# Altium PCB FPGA_Board.PcbDoc (continued)
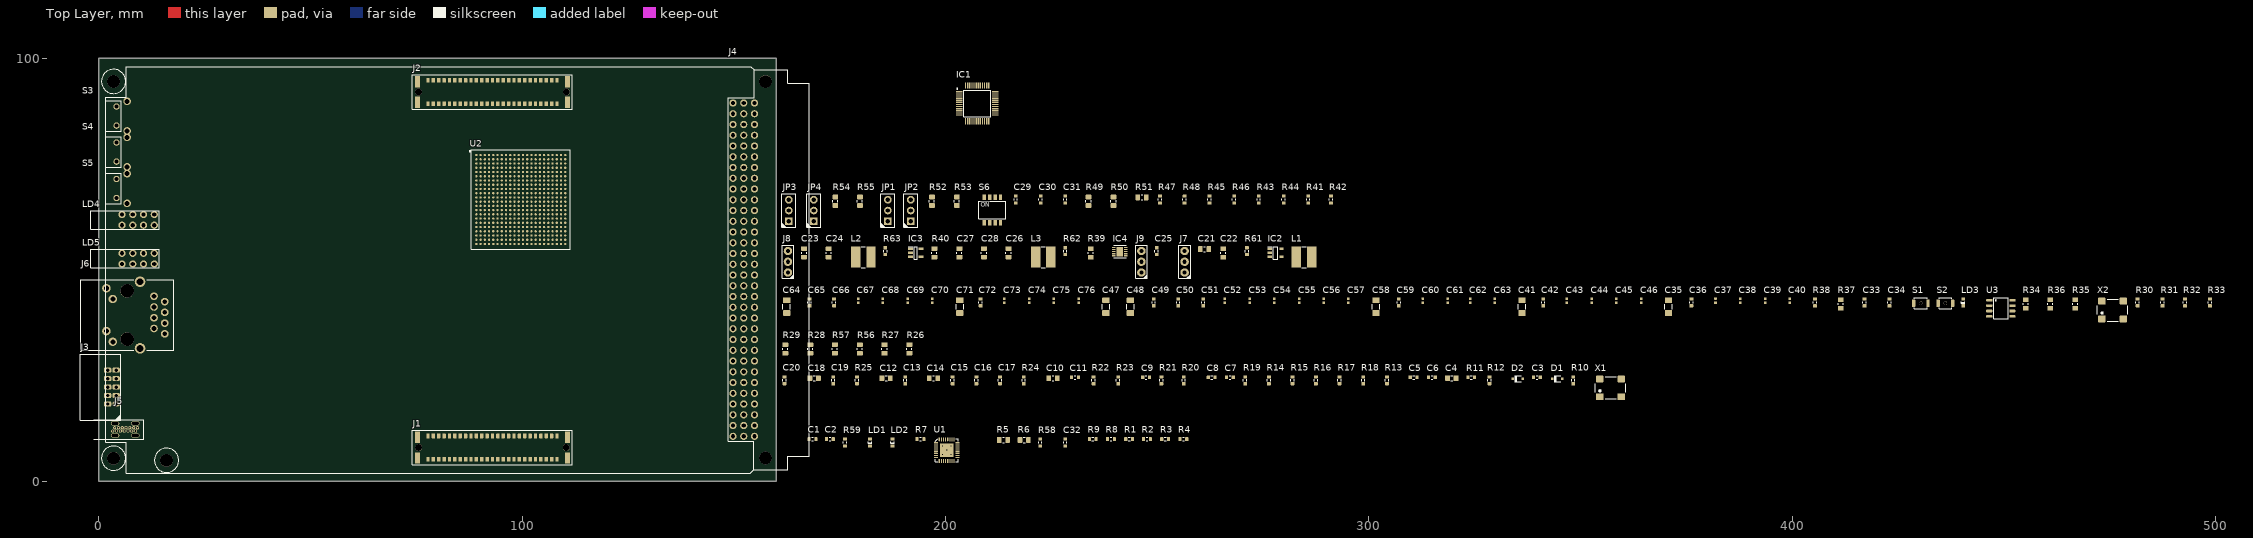
[diagram p0: Top Layer view]
## Footprints (in the part's own frame and the unit in brackets; to place one, negate y for a bottom-side part, rotate by r counter-clockwise, add the part's x,y. Pads: shape width x height; smd on the part's side, far side on the other; paste and mask are expansions set on the pad) (continued)
  silkscreen extent -47.2,-18.9 47.2,0.2, body extent -47,-18.08 47,0, height 9.5
"DIODE SOD323 REFLOW" [mm] "DIODE SMD SOD323, 2-Leads, Body 1.8x1.40mm"
  rrect25% 0.6x0.6 smd: 1(-1.2,0) 2(1.2,0)
  silkscreen extent -0.77,-0.7 0.8,0.7, body extent -1.3,-0.7 1.3,0.7, height 1.2
"DIP SWITCH MULTICOMP  MCDHN-04F" [mm] "DIP SWITCH MULTICOMP  MCDHN-04F, P1.27"
  rect 0.8x1.3 smd: 1(-1.905,-3) 2(-1.905,3) 3(-0.635,-3) 4(-0.635,3) 5(0.635,-3) 6(0.635,3) 7(1.905,-3) 8(1.905,3)
  silkscreen extent -3.2,-2.1 3.2,2.1, body extent -3.2,-2.25 3.2,2.25, height 1.46
"ERNI SMC-B50-SMD-BA" [mm] "Female 1.27 pitch 2x20 pin connector, 9.05 height"
  rect 1.2x2.7 smd: 0(-17.75,-2.45) 0(-17.75,2.45) 0(17.75,-2.45) 0(17.75,2.45)
  round 1.6 hole 1.6 unplated: 0(-17.45,0) 0(17.45,0)
  rrect25% 0.8x1.1 smd: a1(15.24,2.75) a1(15.24,2.75) a2(13.97,2.75) a3(12.7,2.75) a4(11.43,2.75) a5(10.16,2.75) a6(8.89,2.75) a7(7.62,2.75) a8(6.35,2.75) a9(5.08,2.75) a10(3.81,2.75) a11(2.54,2.75) a12(1.27,2.75) a13(0,2.75) a14(-1.27,2.75) a15(-2.54,2.75) a16(-3.81,2.75) a17(-5.08,2.75) a18(-6.35,2.75) a19(-7.62,2.75) a20(-8.89,2.75) a21(-10.16,2.75) a22(-11.43,2.75) a23(-12.7,2.75) a24(-13.97,2.75) a25(-15.24,2.75) b1(15.24,-2.75) b1(15.24,-2.75) b2(13.97,-2.75) b3(12.7,-2.75) b4(11.43,-2.75) b5(10.16,-2.75) b6(8.89,-2.75) b7(7.62,-2.75) b8(6.35,-2.75) b9(5.08,-2.75) b10(3.81,-2.75) b11(2.54,-2.75) b12(1.27,-2.75) b13(0,-2.75) b14(-1.27,-2.75) b15(-2.54,-2.75) b16(-3.81,-2.75) b17(-5.08,-2.75) b18(-6.35,-2.75) b19(-7.62,-2.75) b20(-8.89,-2.75) b21(-10.16,-2.75) b22(-11.43,-2.75) b23(-12.7,-2.75) b24(-13.97,-2.75) b25(-15.24,-2.75)
  silkscreen extent -18.9,-4.1 19,4.1, body extent -18.42,-3.6 18.41,3.6, height 9.05
"ERNI SMC-Q50-SMD-BA" [mm] "Male 1.27 pitch 2x20 pin connector, 6.75 height"
  rect 1.2x2.7 smd: 0(-17.75,-2.45) 0(-17.75,2.45) 0(17.75,-2.45) 0(17.75,2.45)
  round 1.6 hole 1.6 unplated: 0(-17.45,0) 0(17.45,0)
  rrect25% 0.8x1.1 smd: a1(15.24,-2.75) a1(15.24,-2.75) a2(13.97,-2.75) a3(12.7,-2.75) a4(11.43,-2.75) a5(10.16,-2.75) a6(8.89,-2.75) a7(7.62,-2.75) a8(6.35,-2.75) a9(5.08,-2.75) a10(3.81,-2.75) a11(2.54,-2.75) a12(1.27,-2.75) a13(0,-2.75) a14(-1.27,-2.75) a15(-2.54,-2.75) a16(-3.81,-2.75) a17(-5.08,-2.75) a18(-6.35,-2.75) a19(-7.62,-2.75) a20(-8.89,-2.75) a21(-10.16,-2.75) a22(-11.43,-2.75) a23(-12.7,-2.75) a24(-13.97,-2.75) a25(-15.24,-2.75) b1(15.24,2.75) b1(15.24,2.75) b2(13.97,2.75) b3(12.7,2.75) b4(11.43,2.75) b5(10.16,2.75) b6(8.89,2.75) b7(7.62,2.75) b8(6.35,2.75) b9(5.08,2.75) b10(3.81,2.75) b11(2.54,2.75) b12(1.27,2.75) b13(0,2.75) b14(-1.27,2.75) b15(-2.54,2.75) b16(-3.81,2.75) b17(-5.08,2.75) b18(-6.35,2.75) b19(-7.62,2.75) b20(-8.89,2.75) b21(-10.16,2.75) b22(-11.43,2.75) b23(-12.7,2.75) b24(-13.97,2.75) b25(-15.24,2.75)
  silkscreen extent -19,-4.1 19,4.1, body extent -18.42,-3.5 18.41,3.5, height 6.8
"FlatCable2x5 2MM Right Angle TH FCI 98614-G61-10ULF" [mm] "FlatCable2x5 2MM Right Angle TH FCI 98614-G61-10ULF"
  oct 1.219x1.727 hole 0.8: 1(4,1)
  rrect50% 1.219x1.727 hole 0.8: 2(4,-1) 3(2,1) 4(2,-1) 5(0,1) 6(0,-1) 7(-2,1) 8(-2,-1) 9(-4,1) 10(-4,-1)
  silkscreen extent -7.8,-7.5 7.8,2.1, body extent -6,-7.2 6,1.3, height 6.1
"JUMPER3 TH" [mm] "JUMPER3 TH"
  rect 1.8x1.8 hole 1 paste-0.8: 1(-2.54,0)
  round 1.8 hole 1 paste-0.8: 2(0,0) 3(2.54,0)
  silkscreen extent -3.94,-1.65 3.94,1.65, body extent -3.88,-1.6 3.74,1.6, height 8.5
"LED 1608 REFLOW" [mm] "LED SMD 1.6x0.8mm (0603-imperial)"
  rrect25% 0.75x0.9 smd: 1(-0.8,0) 2(0.8,0)
  silkscreen extent -0.2,-0.4 0.2,0.4, body extent -0.8,-0.4 0.8,0.4, height 0.45
"LED Dialight 568-0721-111" [mm] "3mm LED CBI  Circuit Board Indicator  QUAD-LEVEL"
  round 1.7 hole 1: 1(0,-1.27) 2(0,1.27) 3(2.54,-1.27) 4(2.54,1.27) 5(5.08,-1.27) 6(5.08,1.27) 7(7.62,-1.27) 8(7.62,1.27)
  silkscreen extent -7.4,-2.2 8.8,2.2, body extent -9.6,-2.2 8.8,2.2, height 12.7
"Oscillator C5.2x7.2 IQD LFSPXO" [mm] "Oscillator C5.2x7.2 IQD LFSPXO"
  rrect25% 1.8x1.6 smd: 1(-2.54,-2.1) 2(2.54,-2.1) 3(2.54,2.1) 4(-2.54,2.1)
  silkscreen extent -3.6,-2.6 3.6,2.6, body extent -3.6,-2.6 3.6,2.6, height 1.91
"PinHeader1x3 P2.54" [mm] "Plug connector"
  round 2 hole 1: 1(-2.54,0) 2(0,0) 3(2.54,0)
  silkscreen extent -3.94,-1.4 3.94,1.4, body extent -3.88,-1.27 3.74,1.27, height 8.5
"Push Button C2.5X3.0 OMRON B3U-1000P(M)-B" [mm] "Push Button C2.5X3.0 OMRON B3U-1000P(M)-B"
  rrect25% 0.8x1.7 smd: 1(-1.7,0) 2(1.7,0)
  round 0.8 hole 0.8 unplated: 3(0,0)
  silkscreen extent -1.5,-1.3 1.5,1.3, body extent -1.5,-1.25 1.5,1.25, height 1.6
"Push Button C7.1x3.7 TE FSMRA4JH" [mm] "Push Button C7.1x3.7 TE FSMRA4JH"
  round 1.8 hole 1.2: 0(-3.5,5.1) 0(3.5,5.1)
  round 1.5 hole 0.9: 1(-2.25,2.6) 2(2.25,2.6)
  silkscreen extent -3.6,0 3.6,3.7, body extent -3.7,-5.75 3.7,6.6, height 7
"QFN32 P0.5 T3.2x3.2 C5.0X5.0 H1.0" [mm] "QFN32 Pitch 0.5mm, Thermal pad 3.2x3.2mm, Body 5X5mm, Heigh 1.0mm"
  rrect50% 0.9x0.28 smd: 1(-2.55,1.75) 2(-2.55,1.25) 3(-2.55,0.75) 4(-2.55,0.25) 5(-2.55,-0.25) 6(-2.55,-0.75) 7(-2.55,-1.25) 8(-2.55,-1.75) 17(2.55,-1.75) 18(2.55,-1.25) 19(2.55,-0.75) 20(2.55,-0.25) 21(2.55,0.25) 22(2.55,0.75) 23(2.55,1.25) 24(2.55,1.75)
  rrect50% 0.28x0.9 smd: 9(-1.75,-2.55) 10(-1.25,-2.55) 11(-0.75,-2.55) 12(-0.25,-2.55) 13(0.25,-2.55) 14(0.75,-2.55) 15(1.25,-2.55) 16(1.75,-2.55) 25(1.75,2.55) 26(1.25,2.55) 27(0.75,2.55) 28(0.25,2.55) 29(-0.25,2.55) 30(-0.75,2.55) 31(-1.25,2.55) 32(-1.75,2.55)
  rect 3.2x3.2 smd: 33(0,0)
  silkscreen extent -2.7,-2.7 2.7,2.7, body extent -2.55,-2.55 2.55,2.55, height 1.01
QFP50P900X900X105-48N [mm]
  rect 1.475x0.3 smd: 1(-4.238,2.75) 2(-4.238,2.25) 3(-4.238,1.75) 4(-4.238,1.25) 5(-4.238,0.75) 6(-4.238,0.25) 7(-4.238,-0.25) 8(-4.238,-0.75) 9(-4.238,-1.25) 10(-4.238,-1.75) 11(-4.238,-2.25) 12(-4.238,-2.75) 25(4.238,-2.75) 26(4.238,-2.25) 27(4.238,-1.75) 28(4.238,-1.25) 29(4.238,-0.75) 30(4.238,-0.25) 31(4.238,0.25) 32(4.238,0.75) 33(4.238,1.25) 34(4.238,1.75) 35(4.238,2.25) 36(4.238,2.75)
  rect 0.3x1.475 smd: 13(-2.75,-4.238) 14(-2.25,-4.238) 15(-1.75,-4.238) 16(-1.25,-4.238) 17(-0.75,-4.238) 18(-0.25,-4.238) 19(0.25,-4.238) 20(0.75,-4.238) 21(1.25,-4.238) 22(1.75,-4.238) 23(2.25,-4.238) 24(2.75,-4.238) 37(2.75,4.238) 38(2.25,4.238) 39(1.75,4.238) 40(1.25,4.238) 41(0.75,4.238) 42(0.25,4.238) 43(-0.25,4.238) 44(-0.75,4.238) 45(-1.25,4.238) 46(-1.75,4.238) 47(-2.25,4.238) 48(-2.75,4.238)
  silkscreen extent -4.85,-3.15 3.15,3.62, body extent -4.5,-4.5 4.5,4.5, height 1.05
"RESISTOR 1608 REFLOW" [mm] "Resistor SMD 1.6x0.8mm (0603-imperial)"
  rrect25% 0.75x0.9 smd: 1(-0.8,0) 2(0.8,0)
  silkscreen extent -0.2,-0.4 0.2,0.4, body extent -0.77,-0.42 0.78,0.43, height 0.45
"RESISTOR 2012 REFLOW" [mm] "Resistor SMD 2.0x1.2mm (0805-imperial)"
  rrect25% 1.1x1.35 smd: 1(-1,0) 2(1,0)
  silkscreen extent -0.2,-0.6 0.2,0.6, body extent -1,-0.62 1,0.63, height 0.45
"RJ45 PULSE J0011D21BNL" [mm] "100 Base-TX (Fast Ethernet) RJ45 1x1 Tab-DOWN with LEDs 8-pin"
  round 3.2 hole 3.2 unplated paste-25.4 mask-25.4: 0(-5.715,-10.8) 0(5.715,-10.8)
  round 1.8 hole 1.1: 1(4.445,-17.15) 2(3.175,-19.69) 3(1.905,-17.15) 4(0.635,-19.69) 5(-0.635,-17.15) 6(-1.905,-19.69) 7(-3.175,-17.15) 8(-4.445,-19.69)
  round 2 hole 1.2: 9(6.325,-5.898) 10(3.785,-7.422) 11(-3.785,-5.898) 12(-6.325,-7.422)
  round 2.5 hole 1.6: 13(-7.874,-13.848) 14(7.874,-13.848)
  silkscreen extent -8.3,-21.8 8.3,0.2, body extent -10.69,-21.6 10.69,-0.02, height 15.75
"SO8 P1.27 C4.0X5.0 H1.75" [mm] "8-Pin Small Outline Integrated Circuit 1.27 mm Pitch, IPC Medium Density"
  rrect50% 1.45x0.6 smd: 1(-2.725,1.905) 2(-2.725,0.635) 3(-2.725,-0.635) 4(-2.725,-1.905) 5(2.725,-1.905) 6(2.725,-0.635) 7(2.725,0.635) 8(2.725,1.905)
  silkscreen extent -1.7,-2.5 1.7,2.5, body extent -2,-2.5 2,2.5, height 1.76
SON50P300X300X85-11N [mil]
  rect 32x12 smd: 1(-55,39) 2(-55,20) 3(-55,0) 4(-55,-20) 5(-55,-39) 6(55,-39) 7(55,-20) 8(55,0) 9(55,20) 10(55,39)
  rect 59x88 smd: 11(0,0)
  silkscreen extent -59,-59 59,59
SOT95P280X130-5N [mm]
  rect 1x0.6 smd: 1(-1.4,0.95) 2(-1.4,0) 3(-1.4,-0.95) 4(1.4,-0.95) 5(1.4,0.95)
  silkscreen extent -1.9,-1.45 0.55,1.5, body extent -1.4,-1.45 1.4,1.45, height 1.3
SOT95P280X145-5N [mm]
  rect 1.15x0.6 smd: 1(-1.25,0.95) 2(-1.25,0) 3(-1.25,-0.95) 4(1.25,-0.95) 5(1.25,0.95)
  silkscreen extent -1.83,-1.48 0.33,1.5
"TDK VLCF5020-1" [mm] "Inductor, 2-Leads, Body 5.0x5.0mm"
  rect 2.2x4.9 smd: 1(-1.8,0) 2(1.8,0)
  silkscreen extent -0.5,-2.5 0.5,2.5, body extent -2.5,-2.5 2.5,2.5, height 2
"USB-C-TH MOLEX 2169890001" [mm] "USB-C  Receptacle Connector 24 Positions Through Hole, Right Angle"
  round 0.75 hole 0.4: A1(-0.39,-5.4) A4(-0.39,-4.5) A5(-0.39,-3.6) A6(-0.39,-2.7) A7(-0.39,-1.8) A9(-0.39,-0.9) A12(-0.39,0) B1(0.39,-0.45) B4(0.39,-1.35) B5(0.39,-2.25) B6(0.39,-3.15) B7(0.39,-4.05) B9(0.39,-4.95) B12(0.39,-5.85)
  oval 1x2 hole 0.6 slot 1.6 at 90 deg: S1(-1.43,-0.5) S2(-1.43,-5.3) S3(1.43,-5.3) S4(1.43,-0.5)
  silkscreen extent -2.3,-10.3 2.3,1.5, body extent -1.87,-13.45 1.89,1.21, height 9.06

## Part data
C1 C2 C3 C4 C5 C6 C7 C10 C11 C12 C13 C14 C15 C16 C17 C18 C19 C20 C32: library part Capacitor, "Capacitor X7R 10% 50V 1608(0603)"
C8 C9 C21 C22 C23 C24 C25 C26 C27 C28 C33 C34 C35 C36 C37 C38 C39 C40 C41 C42 C43 C44 C45 C46 C47 C48 C49 C50 C51 C52 C53 C54 C55 C56 C57 C58 C59 C60 C61 C62 C63 C64 C65 C66 C67 C68 C69 C70 C71 C72 C73 C74 C75 C76: library part Capacitor, "Capacitor"
  C8: Socket=1005, V=50V
  C9: Socket=1005, U=50V
C29 C30 C31: library part Capacitor, "Capacitor X7R 10% 50V 2012(0805)"
D1 D2: library part DIODE, "Diode generic 2 leads"
IC1: "Integrated Circuit", Manufacturer_Name=Microchip, Mouser Part Number=998-KSZ8041TL, Arrow Part Number=KSZ8041TL, Arrow Price/Stock=https://www.arrow.com/en/products/ksz8041tl/microchip-technology, Datasheet Link=http://www.microchip.com/mymicrochip/filehandler.aspx?ddocname=en581559, Height=1.05mm, Manufacturer_Part_Number=KSZ8041TL, Mouser Price/Stock=https://www.mouser.co.uk/ProductDetail/Microchip-Technology-Micrel/KSZ8041TL?qs=kh6iOki%2FeLG3fBvp35yNQw%3D%3D
IC2: "Integrated Circuit", Manufacturer_Name=Ricoh, Mouser Part Number=848-RP402N501F-TR-FE, Arrow Part Number=RP402N501F-TR-FE, Arrow Price/Stock=https://www.arrow.com/en/products/rp402n501f-tr-fe/ricoh-electronic-devices-company, Datasheet Link=https://www.arrow.com/en/products/rp402n501f-tr-fe/ricoh-electronic-devices-company, Height=1.3mm, Manufacturer_Part_Number=RP402N501F-TR-FE, Mouser Price/Stock=https://www.mouser.co.uk/ProductDetail/Ricoh-Electronic-Devices-Company/RP402N501F-TR-FE?qs=ilL34mSzaLj3p4B9FaWLxQ%3D%3D
IC3: "Integrated Circuit", Manufacturer_Name=SEMTECH, Mouser Part Number=947-SC189ZSKTRT, Arrow Part Number=SC189ZSKTRT, Arrow Price/Stock=https://www.arrow.com/en/products/sc189zsktrt/semtech, Datasheet Link=http://www.semtech.com/images/datasheet/sc189.pdf, Height=1.45mm, Manufacturer_Part_Number=SC189ZSKTRT, Mouser Price/Stock=https://www.mouser.co.uk/ProductDetail/Semtech/SC189ZSKTRT/?qs=rBWM4%252BvDhIck0D%2FgoUNMIQ%3D%3D
IC4: "Integrated Circuit", Manufacturer_Name="Analog Devices", Mouser Part Number=584-ADP2119ACPZ1.2R7, Arrow Part Number=ADP2119ACPZ-1.2-R7, Arrow Price/Stock=https://www.arrow.com/en/products/adp2119acpz-1.2-r7/analog-devices, Manufacturer_Part_Number=ADP2119ACPZ-1.2-R7, Mouser Price/Stock=https://www.mouser.co.uk/ProductDetail/Analog-Devices/ADP2119ACPZ-12-R7?qs=WIvQP4zGanjkVnaXN%2F8Aww%3D%3D
J1 J2: "Female 1.27 pitch 2x25 pin connector"
J4: library part "DIN41612 MALE 3X32 ABC R90", "DIN41612 MALE 3X32 ABC R90", Manufacturer=Harting, Mouser No.=617-09-03-196-6921
J5: library part "USB-C-Molex 2169890001", "USB-C Receptacle Connector 24 Position Through Hole, Right Angle", ComponentLink1Description=Manufacturer, ComponentLink1URL=http://www.we-online.de, ComponentLink2Description=Datasheet, ComponentLink2URL=https://katalog.we-online.com/em/datasheet/632722110112.pdf
J6: library part "RJ45 PULSE J0011D21BNL", "Integrated connector modules 10/100 base-TX belMag with LEDs", Supplier Part Number 1=673-J0011D21BNL, Supplier 1=Mouser
J7 J8 J9: library part PinHeader1x3, "Plug connector"
J10 J11: "Male 1.27 pitch 2x25 pin connector"
JP1 JP2 JP3 JP4: library part "JUMPER 3 POS", "JUMPER 3 POS"
L1 L2 L3: library part Inductor, "Inductor"
  L1: Name=NRS5020T2R2NMGJ
  L2: Name=74437334022
  L3: Name=74437334015
LD1 LD2 LD3: library part LED, "LED generic"
LD4 LD5: library part "LED Dialight 568-0721-111F", "LED Dialight 568-0721-111F", Manufacturer=Dialight, Mouser No.=645-568-0721-111F
R1 R2 R3 R4 R7 R8 R9 R10 R13 R19 R22 R24 R25 R30 R31 R32 R33 R38 R41 R42 R43 R44 R45 R46 R47 R48 R58 R59 R61 R62 R63: library part Resistor, "Resistor 1% 50V 100mW 1608(0603)"
R5 R6 R26 R27 R28 R29 R34 R35 R36 R37 R39 R40 R49 R50 R51 R52 R53 R54 R55 R56 R57: library part Resistor, "Resistor 1% 50V 125mW 2012(0805)"
R11 R12 R14 R15 R16 R17 R18 R20 R21 R23: library part Resistor, "Resistor"
  R14 R23: Socket=1005
  R15 R16 R17 R18: Socket=1608, W=100mW
  R20 R21: W=100mW
S1 S2: library part "Push Button 2Pins", "Push Button, 2 pins"
S3 S4 S5: library part "Push Button 2Pins", "Push Button, 2 pins", Manufacturer="TE Connectivity / Alcoswitch", Mouser No.=506-FSMRA4JH04
S6: library part "DIP Switch 4Pos", "MULTICOMP  MCDHN-04F"
U1: "24-Bit ADC with Ultra Low Noise PGIA - Crystal"
U2: "Spartan-6 LXT 1.2V FPGA, 268 User I/Os, 484-Ball Fine-Pitch BGA (1.0mm Pitch)"
U3: "64Mb Serial Flash Memory"
X1: library part "Oscillator C5.2x7.2 IQD LFSPXO", "Oscillator C5.2x7.2 IQD LFSPXO", Freq=25MHz
X2: library part "Oscillator C5.2x7.2 IQD LFSPXO", "Oscillator C5.2x7.2 IQD LFSPXO", MouserNumber=710-831022731

## Free pads (board coordinates)
  round 3 hole 3: 0(3.5,5.5) 0(3.5,94.5) 0(16,5)

## Via types
v1: diameter 0.6, hole 0.25, Top Layer to Bottom Layer, 5 vias

## Nets (pads, with @x,y where several pads share a name; then routed paths per layer and width w, separated by ;. In a path a pad name is that pad's centre, name@x,y a point inside that pad or via, vN(x,y) a via of type N, cw(c..) or ccw(c..) an arc to the next point about the centre after c; other vN are vias at no path point)
+1.2V_CORE: C47.1 C48.1 C49.1 C50.1 C51.1 C52.1 C53.1 C54.1 C55.1 C56.1 C57.1 R62.2 U2.J8 U2.J10 U2.J12 U2.J14 U2.K9 U2.K11 U2.K13 U2.L10 U2.L12 U2.L14 U2.M9 U2.M11 U2.M13 U2.N10 U2.N12 U2.N14 U2.P9 U2.P11 U2.P13 U2.R14
+3V3_BACKPLANE: C21.2 IC2.3 IC2.4 J4.A31 J4.A32 J4.B31 J4.C31 J8.1 J9.3 L1.1 R8.2 R9.2
+3V3_D: C3.2 C12.2 C13.2 C35.1 C36.1 C37.1 C38.1 C39.1 C40.1 C41.1 C42.1 C43.1 C44.1 C45.1 C46.1 C58.1 C59.1 C60.1 C61.1 C62.1 C63.1 C64.1 C65.1 C66.1 C67.1 C68.1 C69.1 C70.1 C71.1 C72.1 C73.1 C74.1 C75.1 C76.1 D1.1 IC1.25 IC1.26 J1.a7 J1.b7 J3.1 J6.9 J6.12 J8.2 J10.a7 J10.b7 R1.2 R2.2 R3.2 R4.2 R5.2 R6.2 R10.2 R13.2 R24.2 R26.2 R29.2 R30.2 R31.2 R32.2 R33.2 R34.2 R35.2 R36.2 R49.2 R50.2 R51.2 R52.2 R53.2 R54.2 R55.2 R57.2 U1.1 U2.AA3 U2.AA7 U2.AA11 U2.AA15 U2.AA19 U2.B4 U2.B7 U2.B11 U2.B15 U2.B19 U2.C2 U2.C21 U2.D16 U2.E9 U2.E13 U2.E17 U2.E19 U2.F4 U2.F6 U2.F11 U2.G2 U2.G10 U2.G12 U2.G14 U2.G21 U2.H9 U2.H15 U2.J5 U2.J18 U2.K15 U2.L2 U2.L7 U2.L8 U2.L16 U2.L21 U2.M15 U2.N5 U2.N8 U2.N18 U2.R2 U2.R6 U2.R10 U2.R12 U2.R21 U2.T9 U2.T13 U2.U5 U2.U11 U2.U18 U2.V6 U2.V8 U2.V12 U2.V16 U2.W2 U2.W5 U2.W21 U3.8 X1.1 X1.4 X2.1 X2.4
+3V3_USB: C24.2 J8.3 R63.2
"+5V _USB": C23.2 IC3.1 IC3.3 J7.3 J9.1
+5V_BACKPLANE: C22.2 J7.1 R61.2
+5V_MEZZA: J2.a25 J7.2 J11.a25
+5V_USB: R7.2 U1.19
+24V_BP: C32.2 J4.C32
\S\P\I\A\_\S\T\E\: J1.b12 J10.b12 U2.V15
\S\P\I\B\_\S\T\E\: J1.b8 J10.b8 U2.AA14
\S\P\I\C\_\S\T\E\: J1.b2 J10.b2 U2.AB16
ADC_CH0_CS: J1.b25 J10.b25 U2.C5
ADC_CH0_SDO: J1.b23 J10.b23 U2.A4
ADC_CH1_CS: J2.b22 J11.b22 U2.D6
ADC_CH1_SDO: J2.b21 J11.b21 U2.A5
ADC_CH2_CS: J2.b20 J11.b20 U2.B6
ADC_CH2_SDO: J2.b19 J11.b19 U2.C6
ADC_CH3_CS: J2.b24 J11.b24 U2.C7
ADC_CH3_SDO: J2.b23 J11.b23 U2.A6
ADC_CH4_CS: J2.b18 J11.b18 U2.B8
ADC_CH4_SDO: J2.b16 J11.b16 U2.A7
ADC_CH5_CS: J2.a3 J11.a3 U2.D9
ADC_CH5_SDO: J2.a2 J11.a2 U2.A8
ADC_CH6_CS: J2.a6 J11.a6 U2.C9
ADC_CH6_SDO: J2.a4 J11.a4 U2.C8
ADC_CH7_CS: J2.b13 J11.b13 U2.E12
ADC_CH7_SDO: J2.b11 J11.b11 U2.A9
ADC_CH8_CS: J2.a8 J11.a8 U2.F13
ADC_CH8_SDO: J2.a7 J11.a7 U2.D12
ADC_CH9_CS: J2.b10 J11.b10 U2.D7
ADC_CH9_SDO: J2.b9 J11.b9 U2.D13
ADC_CH10_CS: J2.b8 J11.b8 U2.D10
ADC_CH10_SDO: J2.b7 J11.b7 U2.D8
ADC_CH11_CS: J2.b3 J11.b3 U2.B10
ADC_CH11_SDO: J2.b2 J11.b2 U2.C10
ADC_CH12_CS: J2.b6 J11.b6 U2.C11
ADC_CH12_SDO: J2.b4 J11.b4 U2.A10
ADC_CH13_CS: J2.a13 J11.a13 U2.D11
ADC_CH13_SDO: J2.a11 J11.a11 U2.A11
ADC_CH14_CS: J2.a16 J11.a16 U2.B12
ADC_CH14_SDO: J2.a14 J11.a14 U2.C12
ADC_CH15_CS: J2.a10 J11.a10 U2.C13
ADC_CH15_SDO: J2.a9 J11.a9 U2.A12
ADC_CH16_CS: J2.a19 J11.a19 U2.H13
ADC_CH16_SDO: J2.a18 J11.a18 U2.A13
ADC_CH17_CS: J2.a23 J11.a23 U2.E14
ADC_CH17_SDO: J2.a22 J11.a22 U2.G13
ADC_CH18_CS: J1.b22 J10.b22 U2.F14
ADC_CH18_SDO: J1.b21 J10.b21 U2.F15
ADC_CH19_CS: J2.a21 J11.a21 U2.D14
ADC_CH19_SDO: J2.a20 J11.a20 U2.H14
ADC_SCLK: J2.a24 J11.a24 U2.C14
BN_EN: J4.A29 U2.M19
BN_ERROR_R: J4.C29 R9.1 U2.M16
BN_ERROR_W: J4.B29 R8.1 U2.N19
BN_MASTER_RST: J4.C27 U2.V22
BP_GPIO_0: J4.A14 U2.H19
BP_GPIO_1: J4.A15 U2.H18
BP_GPIO_2: J4.A16 U2.E20
BP_GPIO_3: J4.A17 U2.E22
BP_GPIO_4: J4.A19 U2.J17
BP_GPIO_5: J4.A20 U2.K17
BP_GPIO_6: J4.A21 U2.F21
BP_GPIO_7: J4.A22 U2.F22
BP_GPIO_8: J4.A24 U2.H20
BP_GPIO_9: J4.A25 U2.J19
BP_GPIO_10: J4.A26 U2.G20
BP_GPIO_11: J4.A27 U2.G22
BP_GPIO_13: J4.B14 U2.K20
BP_GPIO_14: J4.B15 U2.K19
BP_GPIO_15: J4.B16 U2.H21
BP_GPIO_16: J4.B17 U2.H22
BP_GPIO_17: J4.B19 U2.M20
BP_GPIO_18: J4.B20 U2.L19
BP_GPIO_19: J4.B21 U2.J20
BP_GPIO_20: J4.B22 U2.J22
BP_GPIO_21: J4.B24 U2.K21
BP_GPIO_22: J4.B25 U2.K22
BP_GPIO_23: J4.B26 U2.L20
BP_GPIO_24: J4.B27 U2.L22
BP_GPIO_26: J4.C14 U2.M21
BP_GPIO_27: J4.C15 U2.M22
BP_GPIO_28: J4.C16 U2.N20
BP_GPIO_29: J4.C17 U2.P22
BP_GPIO_30: J4.C19 U2.R20
BP_GPIO_31: J4.C20 U2.R22
BP_GPIO_32: J4.C21 U2.T21
BP_GPIO_33: J4.C22 U2.T22
BP_GPIO_34: J4.C24 U2.U20
BP_GPIO_35: J4.C25 U2.U22
BP_GPIO_36: J4.C26 U2.V21
BP_PWM1A: J4.A2 U2.C19
BP_PWM1B: J4.A3 U2.B20
BP_PWM2A: J4.A5 U2.G16
BP_PWM2B: J4.A6 U2.G17
BP_PWM3A: J4.A8 U2.F16
BP_PWM3B: J4.A9 U2.F17
BP_PWM4A: J4.A11 U2.B21
BP_PWM4B: J4.A12 U2.B22
BP_PWM5A: J4.B2 U2.A20
BP_PWM5B: J4.B3 U2.A21
BP_PWM6A: J4.B5 U2.K16
BP_PWM6B: J4.B6 U2.J16
BP_PWM7A: J4.B8 U2.H16
BP_PWM7B: J4.B9 U2.H17
BP_PWM8A: J4.B11 U2.D19
BP_PWM8B: J4.B12 U2.D20
BP_PWM9A: J4.C2 U2.F18
BP_PWM9B: J4.C3 U2.F19
BP_PWM10A: J4.C5 U2.D21
BP_PWM10B: J4.C6 U2.D22
BP_PWM11A: J4.C8 U2.C20
BP_PWM11B: J4.C9 U2.C22
BP_PWM12A: J4.C11 U2.G19
BP_PWM12B_BN_PWM: J4.C12 U2.F20
BS0: LD1.1 U1.22
BS1: LD2.1 U1.21
CLK_100MHz: U2.J3 X2.3
DIL_0: S6.2 U2.B3
DIL_1: S6.4 U2.A2
DIL_2: S6.6 U2.E6
DIL_3: S6.8 U2.E5
ETH_25MHz: IC1.15 X1.3
ETH_COL: IC1.40 U2.P3
ETH_CRS: IC1.41 U2.N4
ETH_INTRP: IC1.32 U2.L6
ETH_MDC: IC1.19 U2.M4
ETH_MDIO: IC1.18 R13.1 U2.M5
ETH_R\S\T\: C4.2 D1.2 D2.2 IC1.47 R10.1
ETH_RESET_N: D2.1 U2.V2
ETH_RX_CLK: IC1.28 U2.N6
ETH_RX_DV: IC1.27 U2.N7
ETH_RX_ER: IC1.29 U2.M7
ETH_RXD0: IC1.23 U2.M8
ETH_RXD1: IC1.22 U2.R4
ETH_RXD2: IC1.21 U2.P4
ETH_RXD3: IC1.20 U2.M6
ETH_TX_CLK: IC1.33 U2.P6
ETH_TX_EN: IC1.34 U2.P5
ETH_TXD0: IC1.35 U2.T4
ETH_TXD1: IC1.36 U2.T3
ETH_TXD2: IC1.38 U2.U4
ETH_TXD3: IC1.39 U2.V3
FLASH_SPI_CLK: R33.1 R38.2 U2.Y21 U3.6
FLASH_SPI_CS_N: R31.1 U2.T5 U3.1
FLASH_SPI_DI: U2.AA20 U3.2
FLASH_SPI_DO: U2.AB20 U3.5
FPGA_DONE: LD3.2 R35.1 U2.Y22
FPGA_JTAG_TCK: J3.5 R3.1 U2.G15
FPGA_JTAG_TDI: J3.9 R1.1 U2.E18
FPGA_JTAG_TDO: J3.7 R2.1 U2.A19
FPGA_JTAG_TMS: J3.3 R4.1 U2.C18
GND_+24V_BP: C32.1 J4.B32
GND_D: C1.1 C2.1 C3.1 C4.1 C5.1 C6.1 C7.1 C8.2 C9.1 C10.1 C11.1 C12.1 C13.1 C14.1 C15.1 C16.1 C17.1 C18.1 C19.1 C20.1 C21.1 C22.1 C23.1 C24.1 C25.2 C26.1 C27.1 C28.1 C29.1 C30.1 C31.1 C33.1 C34.1 C35.2 C36.2 C37.2 C38.2 C39.2 C40.2 C41.2 C42.2 C43.2 C44.2 C45.2 C46.2 C47.2 C48.2 C49.2 C50.2 C51.2 C52.2 C53.2 C54.2 C55.2 C56.2 C57.2 C58.2 C59.2 C60.2 C61.2 C62.2 C63.2 C64.2 C65.2 C66.2 C67.2 C68.2 C69.2 C70.2 C71.2 C72.2 C73.2 C74.2 C75.2 C76.2 IC1.1 IC1.2 IC1.3 IC1.13 IC1.17 IC1.24 IC1.30 IC1.37 IC2.2 IC3.2 IC4.4 IC4.5 IC4.11 J1.a10 J1.a19 J1.b10 J1.b19 J3.2 J3.4 J3.6 J3.8 J3.10 J4.A1 J4.A4 J4.A7 J4.A10 J4.A13 J4.A18 J4.A23 J4.A28 J4.A30 J4.B1 J4.B4 J4.B7 J4.B10 J4.B13 J4.B18 J4.B23 J4.B28 J4.B30 J4.C1 J4.C4 J4.C7 J4.C10 J4.C13 J4.C18 J4.C23 J4.C28 J4.C30 J5.A1 J5.A12 J5.B1 J5.B12 J5.S1 J5.S2 J5.S3 J5.S4 J10.a10 J10.a19 J10.b10 J10.b19 JP1.1 JP2.1 JP3.1 JP4.1 R19.1 R23.2 R27.1 R28.1 R37.1 R38.1 R56.1 R58.2 R59.2 S1.1 S2.1 S3.1 S4.1 S5.1 S6.1 S6.3 S6.5 S6.7 U1.4 U1.17 U1.20 U1.24 U1.26 U1.33 U2.A1 U2.A22 U2.AA5 U2.AA9 U2.AA13 U2.AA17 U2.AB1 U2.AB22 U2.B5 U2.B9 U2.B13 U2.B17 U2.D4 U2.D18 U2.E2 U2.E7 U2.E11 U2.E15 U2.E21 U2.G5 U2.G18 U2.H7 U2.J2 U2.J9 U2.J11 U2.J13 U2.J15 U2.J21 U2.K10 U2.K12 U2.K14 U2.L5 U2.L9 U2.L11 U2.L13 U2.L18 U2.M10 U2.M12 U2.M14 U2.N2 U2.N9 U2.N11 U2.N13 U2.N15 U2.N17 U2.N21 U2.P10 U2.P12 U2.P14 U2.P15 U2.P16 U2.R5 U2.R17 U2.R18 U2.U2 U2.U7 U2.U21 U2.V4 U2.V10 U2.V14 U2.W7 U2.W16 U2.W19 U3.4 X1.2 X2.2
  other v1: 199.3,6.4 201.3,6.4 200.3,7.4 199.3,8.4 201.3,8.4
GND_ETH: C9.2 J6.7 J6.8 J6.13 J6.14 R23.1
HARDRESET_N: C33.2 R34.1 S1.2 U2.AA1
HSWAPEN: R27.2 U2.A3
LED1_0_GREEN: R41.1 U2.N1
LED1_0_RED: LD4.8 U2.N3
LED1_1_GREEN: R43.1 U2.M1
LED1_1_RED: LD4.6 U2.M2
LED1_2_GREEN: R45.1 U2.L1
LED1_2_RED: LD4.4 U2.L3
LED1_3_GREEN: R47.1 U2.K1
LED1_3_RED: LD4.2 U2.K2
LED2_0_GREEN: R42.1 U2.U3
LED2_0_RED: LD5.8 U2.U1
LED2_1_GREEN: R44.1 U2.T2
LED2_1_RED: LD5.6 U2.T1
LED2_2_GREEN: R46.1 U2.R3
LED2_2_RED: LD5.4 U2.R1
LED2_3_GREEN: R48.1 U2.P2
LED2_3_RED: LD5.2 U2.P1
NetC1_2: C1.2 J5.A4 J5.A9 J5.B4 J5.B9 R7.1
NetC2_2: C2.2 U1.16
NetC5_2: C5.2 R11.1 R15.2 R16.2
NetC6_2: C6.2 R12.1 R17.2 R18.2
NetC7_2: C7.2 IC1.16 R19.2
NetC8_1: C8.1 J6.4 J6.5 R14.1
NetC25_1: C25.1 IC4.1 IC4.7 IC4.9 IC4.10 R39.1 R40.2
NetC26_2: C26.2 IC4.2 J9.2 R39.2
NetC27_2: C27.2 C28.2 IC4.6 L3.2 R62.1
NetIC2_1: IC2.1 L1.2
NetIC2_5: IC2.5 R61.1
NetIC3_4: IC3.4 L2.1
NetIC3_5: IC3.5 L2.2 R63.1
NetIC4_3: IC4.3 L3.1
NetIC4_8: IC4.8 R40.1
NetJ5_A5: J5.A5 R58.1
NetJ5_B5: J5.B5 R59.1
NetJ6_10: J6.10 R20.2
NetJ6_11: J6.11 R21.2
NetJP1_3: JP1.3 R52.1
NetJP2_3: JP2.3 R53.1
NetJP3_3: JP3.3 R54.1
NetJP4_3: JP4.3 R55.1
NetLD1_2: LD1.2 R5.1
NetLD2_2: LD2.2 R6.1
NetLD3_1: LD3.1 R37.2
NetLD4_1: LD4.1 R47.2
NetLD4_3: LD4.3 R45.2
NetLD4_5: LD4.5 R43.2
NetLD4_7: LD4.7 R41.2
NetLD5_1: LD5.1 R48.2
NetLD5_3: LD5.3 R46.2
NetLD5_5: LD5.5 R44.2
NetLD5_7: LD5.7 R42.2
NetR26_1: R26.1 R56.2 U2.AA22
NetR28_2: R28.2 R57.1 U2.U15
NetR29_1: R29.1 U2.T6
NetR30_1: R30.1 U3.3
NetR32_1: R32.1 U3.7
nLNKA_LED: IC1.42 R20.1
nSPD_LED: IC1.43 R21.1
Push_BT_0: C29.2 R49.1 S4.2 U2.B2
Push_BT_1: C30.2 R50.1 S5.2 U2.B1
Push_BT_2: C31.2 R51.1 S3.2 U2.G7
RX_N: IC1.9 J6.6 R18.1
RX_P: IC1.10 J6.3 R17.1
SCIC_RX: J1.a12 J10.a12 U2.AB12
SCIC_TX: J1.a11 J10.a11 U2.AA12
SOFTRESET_N: C34.2 R36.1 S2.2 U2.J7
Spare_0: J1.a2 J10.a2 JP1.2 U2.AB11
Spare_1: J1.a3 J10.a3 JP2.2 U2.AA8
Spare_2: J1.a4 J10.a4 JP3.2 U2.AB8
Spare_3: J1.a5 J10.a5 JP4.2 U2.Y3
Spare_4: J1.a6 J10.a6 U2.AB3
Spare_5: J1.a8 J10.a8 U2.AA10
Spare_6: J1.a9 J10.a9 U2.AB10
SPIA_CLK: J1.b13 J10.b13 U2.AB18
SPIA_SIMO: J1.b11 J10.b11 U2.AA18
SPIB_CLK: J1.b6 J10.b6 U2.Y15
SPIB_SIMO: J1.b9 J10.b9 U2.AB14
SPIC_CLK: J1.b3 J10.b3 U2.Y13
SPIC_SIMO: J1.b4 J10.b4 U2.W12
SPIC_SOMI: J1.b5 J10.b5 U2.Y12
TX_N: IC1.11 J6.2 R16.1
TX_P: IC1.12 J6.1 R15.1
USB_C\T\S\: U1.8 U2.W1
USB_R\T\S\: U1.32 U2.W3
USB_RXD: U1.2 U2.Y1
USB_TXD: U1.30 U2.Y2
USBD_N: J5.A7 J5.B7 U1.15
USBD_P: J5.A6 J5.B6 U1.14
VDD1V8: C20.2 IC1.31 R25.1
VDD1V8_OUT: C18.2 C19.2 IC1.6 R22.2 R25.2
VDDA1V8: C10.2 C11.2 IC1.4 IC1.5 R22.1
VDDA3V3: C14.2 C15.2 C16.2 C17.2 IC1.7 IC1.8 R11.2 R12.2 R14.2 R24.1
pads on no net: IC1.14 IC1.44 IC1.45 IC1.46 IC1.48 J1.0 J1.a1 J1.a13 J1.a14 J1.a15 J1.a16 J1.a17 J1.a18 J1.a20 J1.a21 J1.a22 J1.a23 J1.a24 J1.a25 J1.b1 J1.b14 J1.b15 J1.b16 J1.b17 J1.b18 J1.b20 J1.b24 J2.0 J2.a1 J2.a5 J2.a12 J2.a15 J2.a17 J2.b1 J2.b5 J2.b12 J2.b14 J2.b15 J2.b17 J2.b25 J4.0 J6.0 J10.0 J10.a1 J10.a13 J10.a14 J10.a15 J10.a16 J10.a17 J10.a18 J10.a20 J10.a21 J10.a22 J10.a23 J10.a24 J10.a25 J10.b1 J10.b14 J10.b15 J10.b16 J10.b17 J10.b18 J10.b20 J10.b24 J11.0 J11.a1 J11.a5 J11.a12 J11.a15 J11.a17 J11.b1 J11.b5 J11.b12 J11.b14 J11.b15 J11.b17 J11.b25 S1.3 S2.3 S3.0 S4.0 S5.0 U1.3 U1.5 U1.6 U1.7 U1.9 U1.10 U1.11 U1.12 U1.13 U1.18 U1.23 U1.25 U1.27 U1.28 U1.29 U1.31 U2.A14 U2.A15 U2.A16 U2.A17 U2.A18 U2.AA2 U2.AA4 U2.AA6 U2.AA16 U2.AA21 U2.AB2 U2.AB4 U2.AB5 U2.AB6 U2.AB7 U2.AB9 U2.AB13 U2.AB15 U2.AB17 U2.AB19 U2.AB21 U2.B14 U2.B16 U2.B18 U2.C1 U2.C3 U2.C4 U2.C15 U2.C16 U2.C17 U2.D1 U2.D2 U2.D3 U2.D5 U2.D15 U2.D17 U2.E1 U2.E3 U2.E4 U2.E8 U2.E10 U2.E16 U2.F1 U2.F2 U2.F3 U2.F5 U2.F7 U2.F8 U2.F9 U2.F10 U2.F12 U2.G1 U2.G3 U2.G4 U2.G6 U2.G8 U2.G9 U2.G11 U2.H1 U2.H2 U2.H3 U2.H4 U2.H5 U2.H6 U2.H8 U2.H10 U2.H11 U2.H12 U2.J1 U2.J4 U2.J6 U2.K3 U2.K4 U2.K5 U2.K6 U2.K7 U2.K8 U2.K18 U2.L4 U2.L15 U2.L17 U2.M3 U2.M17 U2.M18 U2.N16 U2.N22 U2.P7 U2.P8 U2.P17 U2.P18 U2.P19 U2.P20 U2.P21 U2.R7 U2.R8 U2.R9 U2.R11 U2.R13 U2.R15 U2.R16 U2.R19 U2.T7 U2.T8 U2.T10 U2.T11 U2.T12 U2.T14 U2.T15 U2.T16 U2.T17 U2.T18 U2.T19 U2.T20 U2.U6 U2.U8 U2.U9 U2.U10 U2.U12 U2.U13 U2.U14 U2.U16 U2.U17 U2.U19 U2.V1 U2.V5 U2.V7 U2.V9 U2.V11 U2.V13 U2.V17 U2.V18 U2.V19 U2.V20 U2.W4 U2.W6 U2.W8 U2.W9 U2.W10 U2.W11 U2.W13 U2.W14 U2.W15 U2.W17 U2.W18 U2.W20 U2.W22 U2.Y4 U2.Y5 U2.Y6 U2.Y7 U2.Y8 U2.Y9 U2.Y10 U2.Y11 U2.Y14 U2.Y16 U2.Y17 U2.Y18 U2.Y19 U2.Y20

## Silkscreen, mask and mechanical layers (free items; w line width, h text height)
Top Overlay:
  circle w0.254: c3.5,5.5 r2.857
  circle w0.254: c3.5,94.5 r2.857
  circle w0.254: c16,5 r2.857
  lines w0.2: 154.7,2.8 153.9,2 6.5,2 6.5,9.3 1.6,9.3 1.6,90.7 6.5,90.7 6.5,98 154,98 154.8,97.2
Mechanical 1:
  the board outline again, w0.254

## Text inside footprints (layer, text, board x,y; h text height)
S6: Top Overlay "ON" at 208.3,64.9 h1